# KiCad board GPDI_ULX3S_panel.kicad_pcb
title: GPDI PMOD for ULX3S; date: 2020-09-08; rev: 1.4
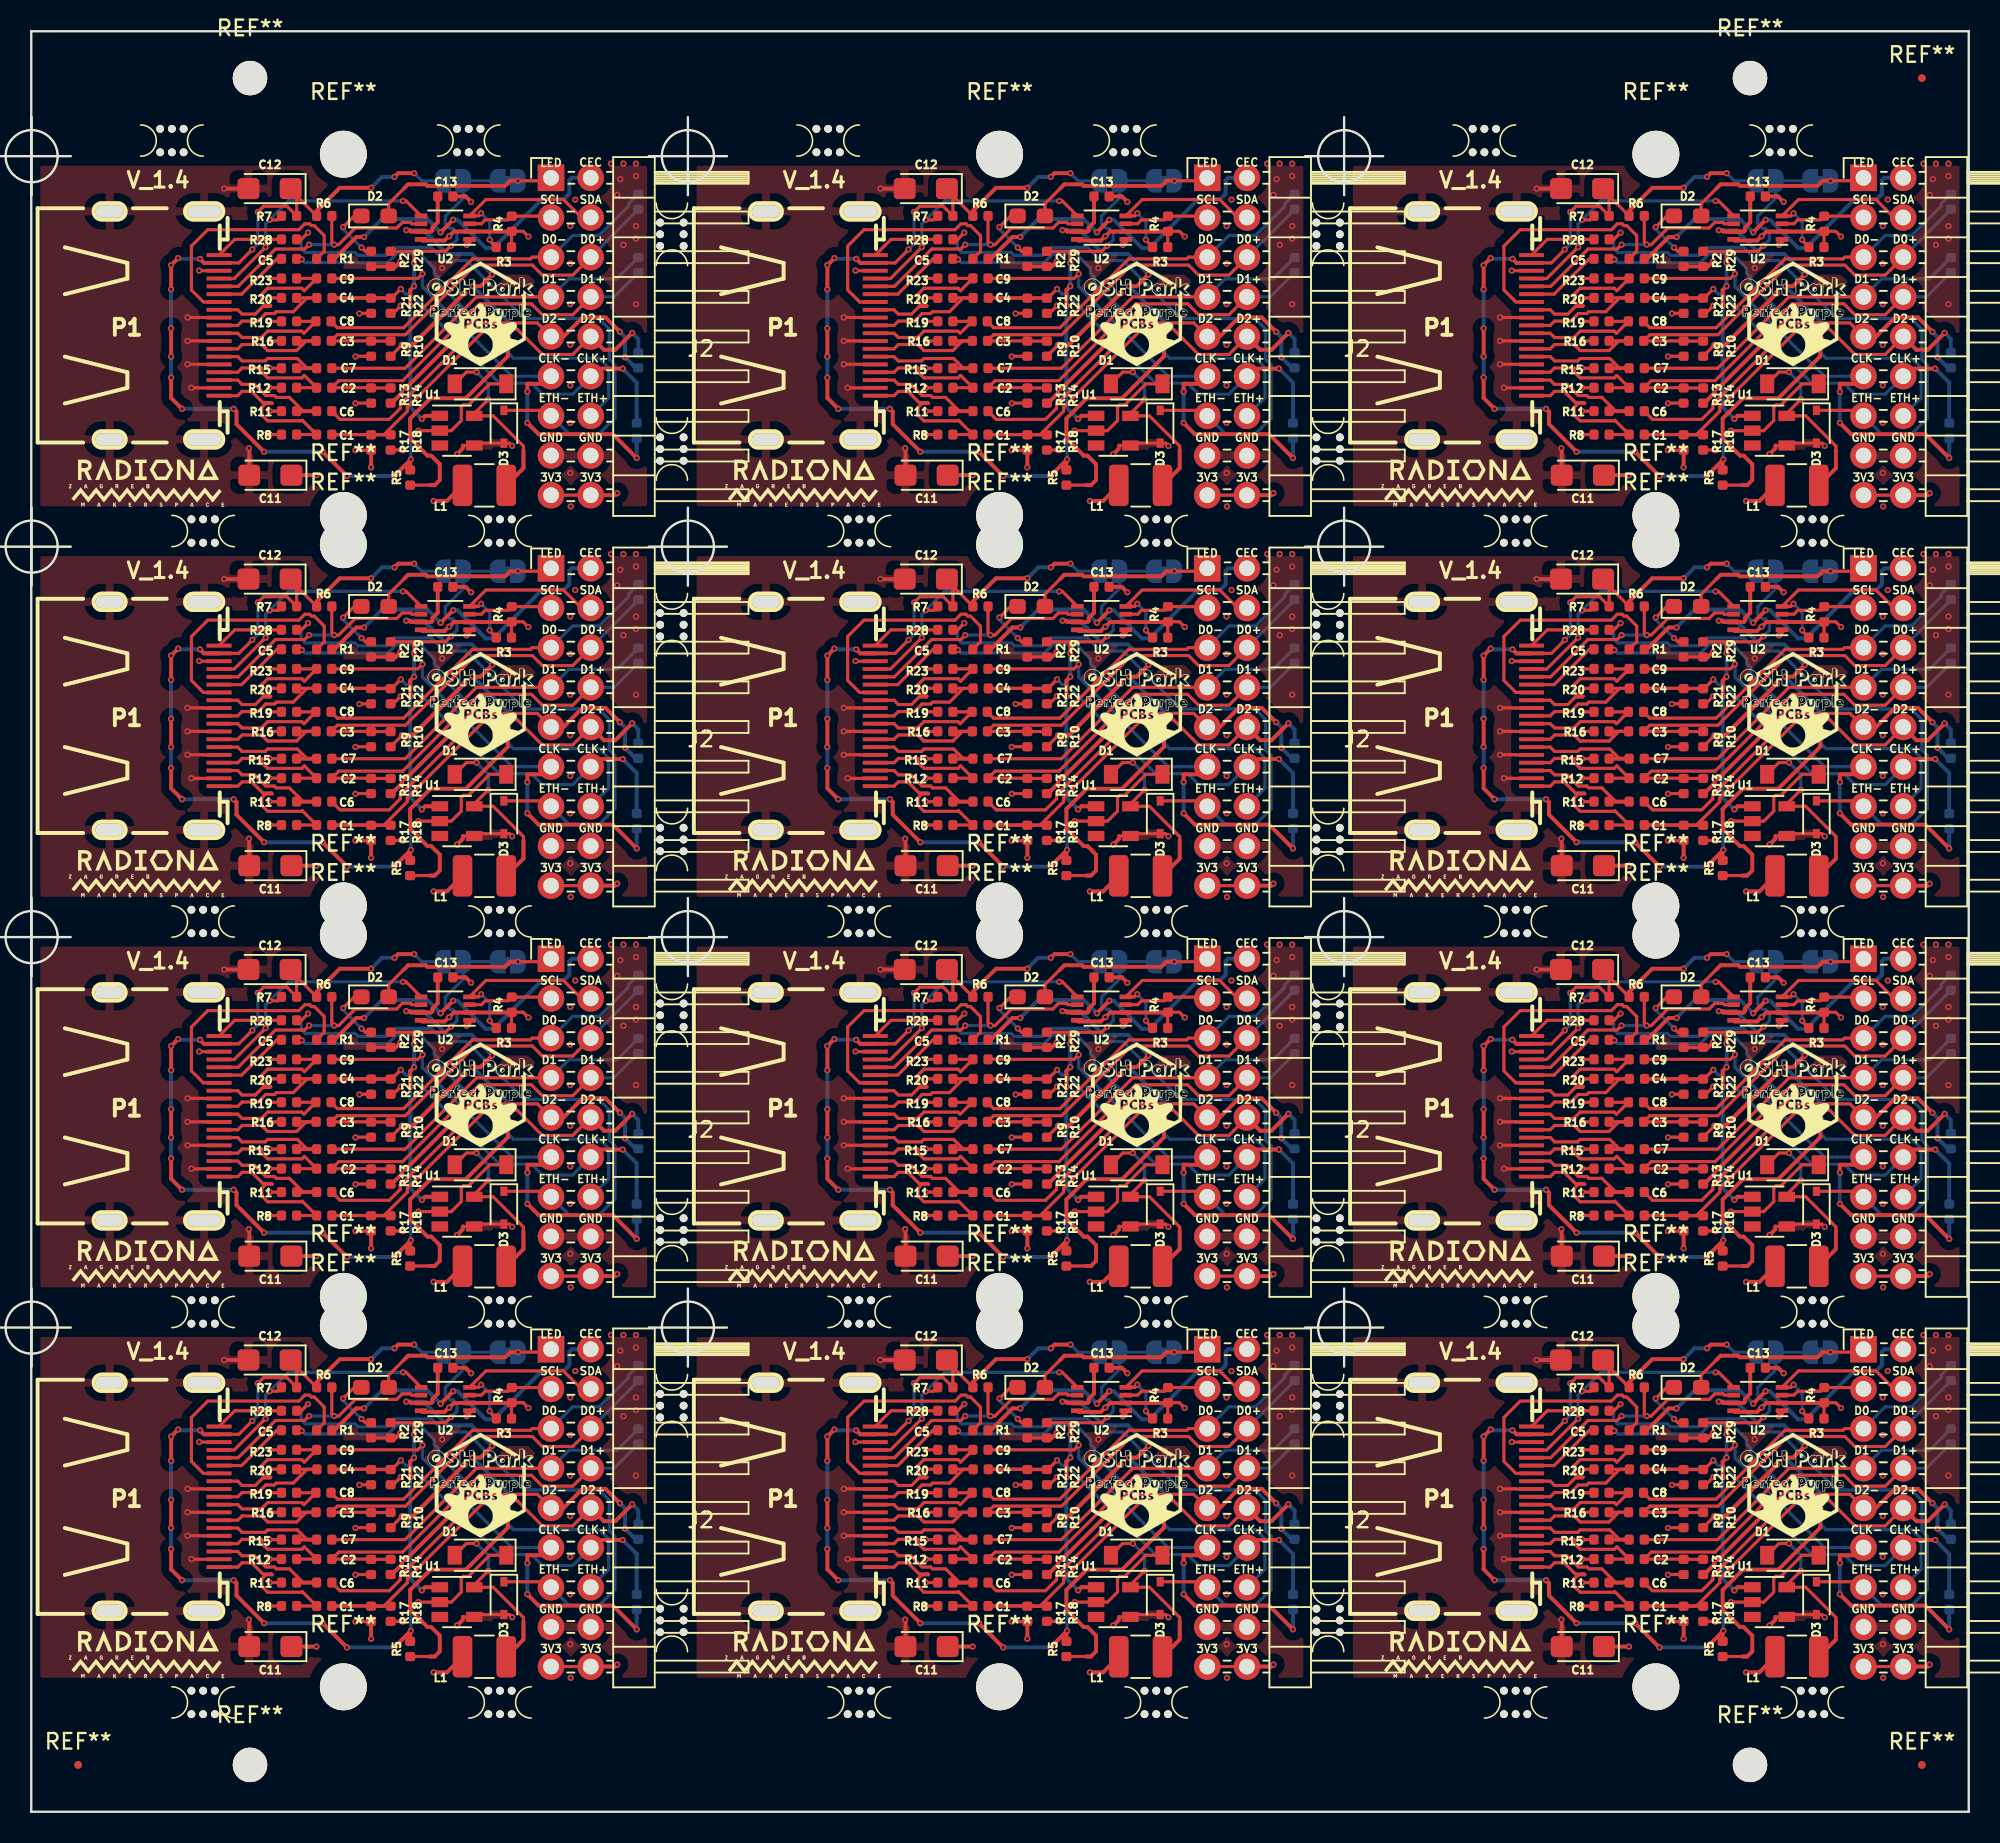
[diagram p0: board, top side]
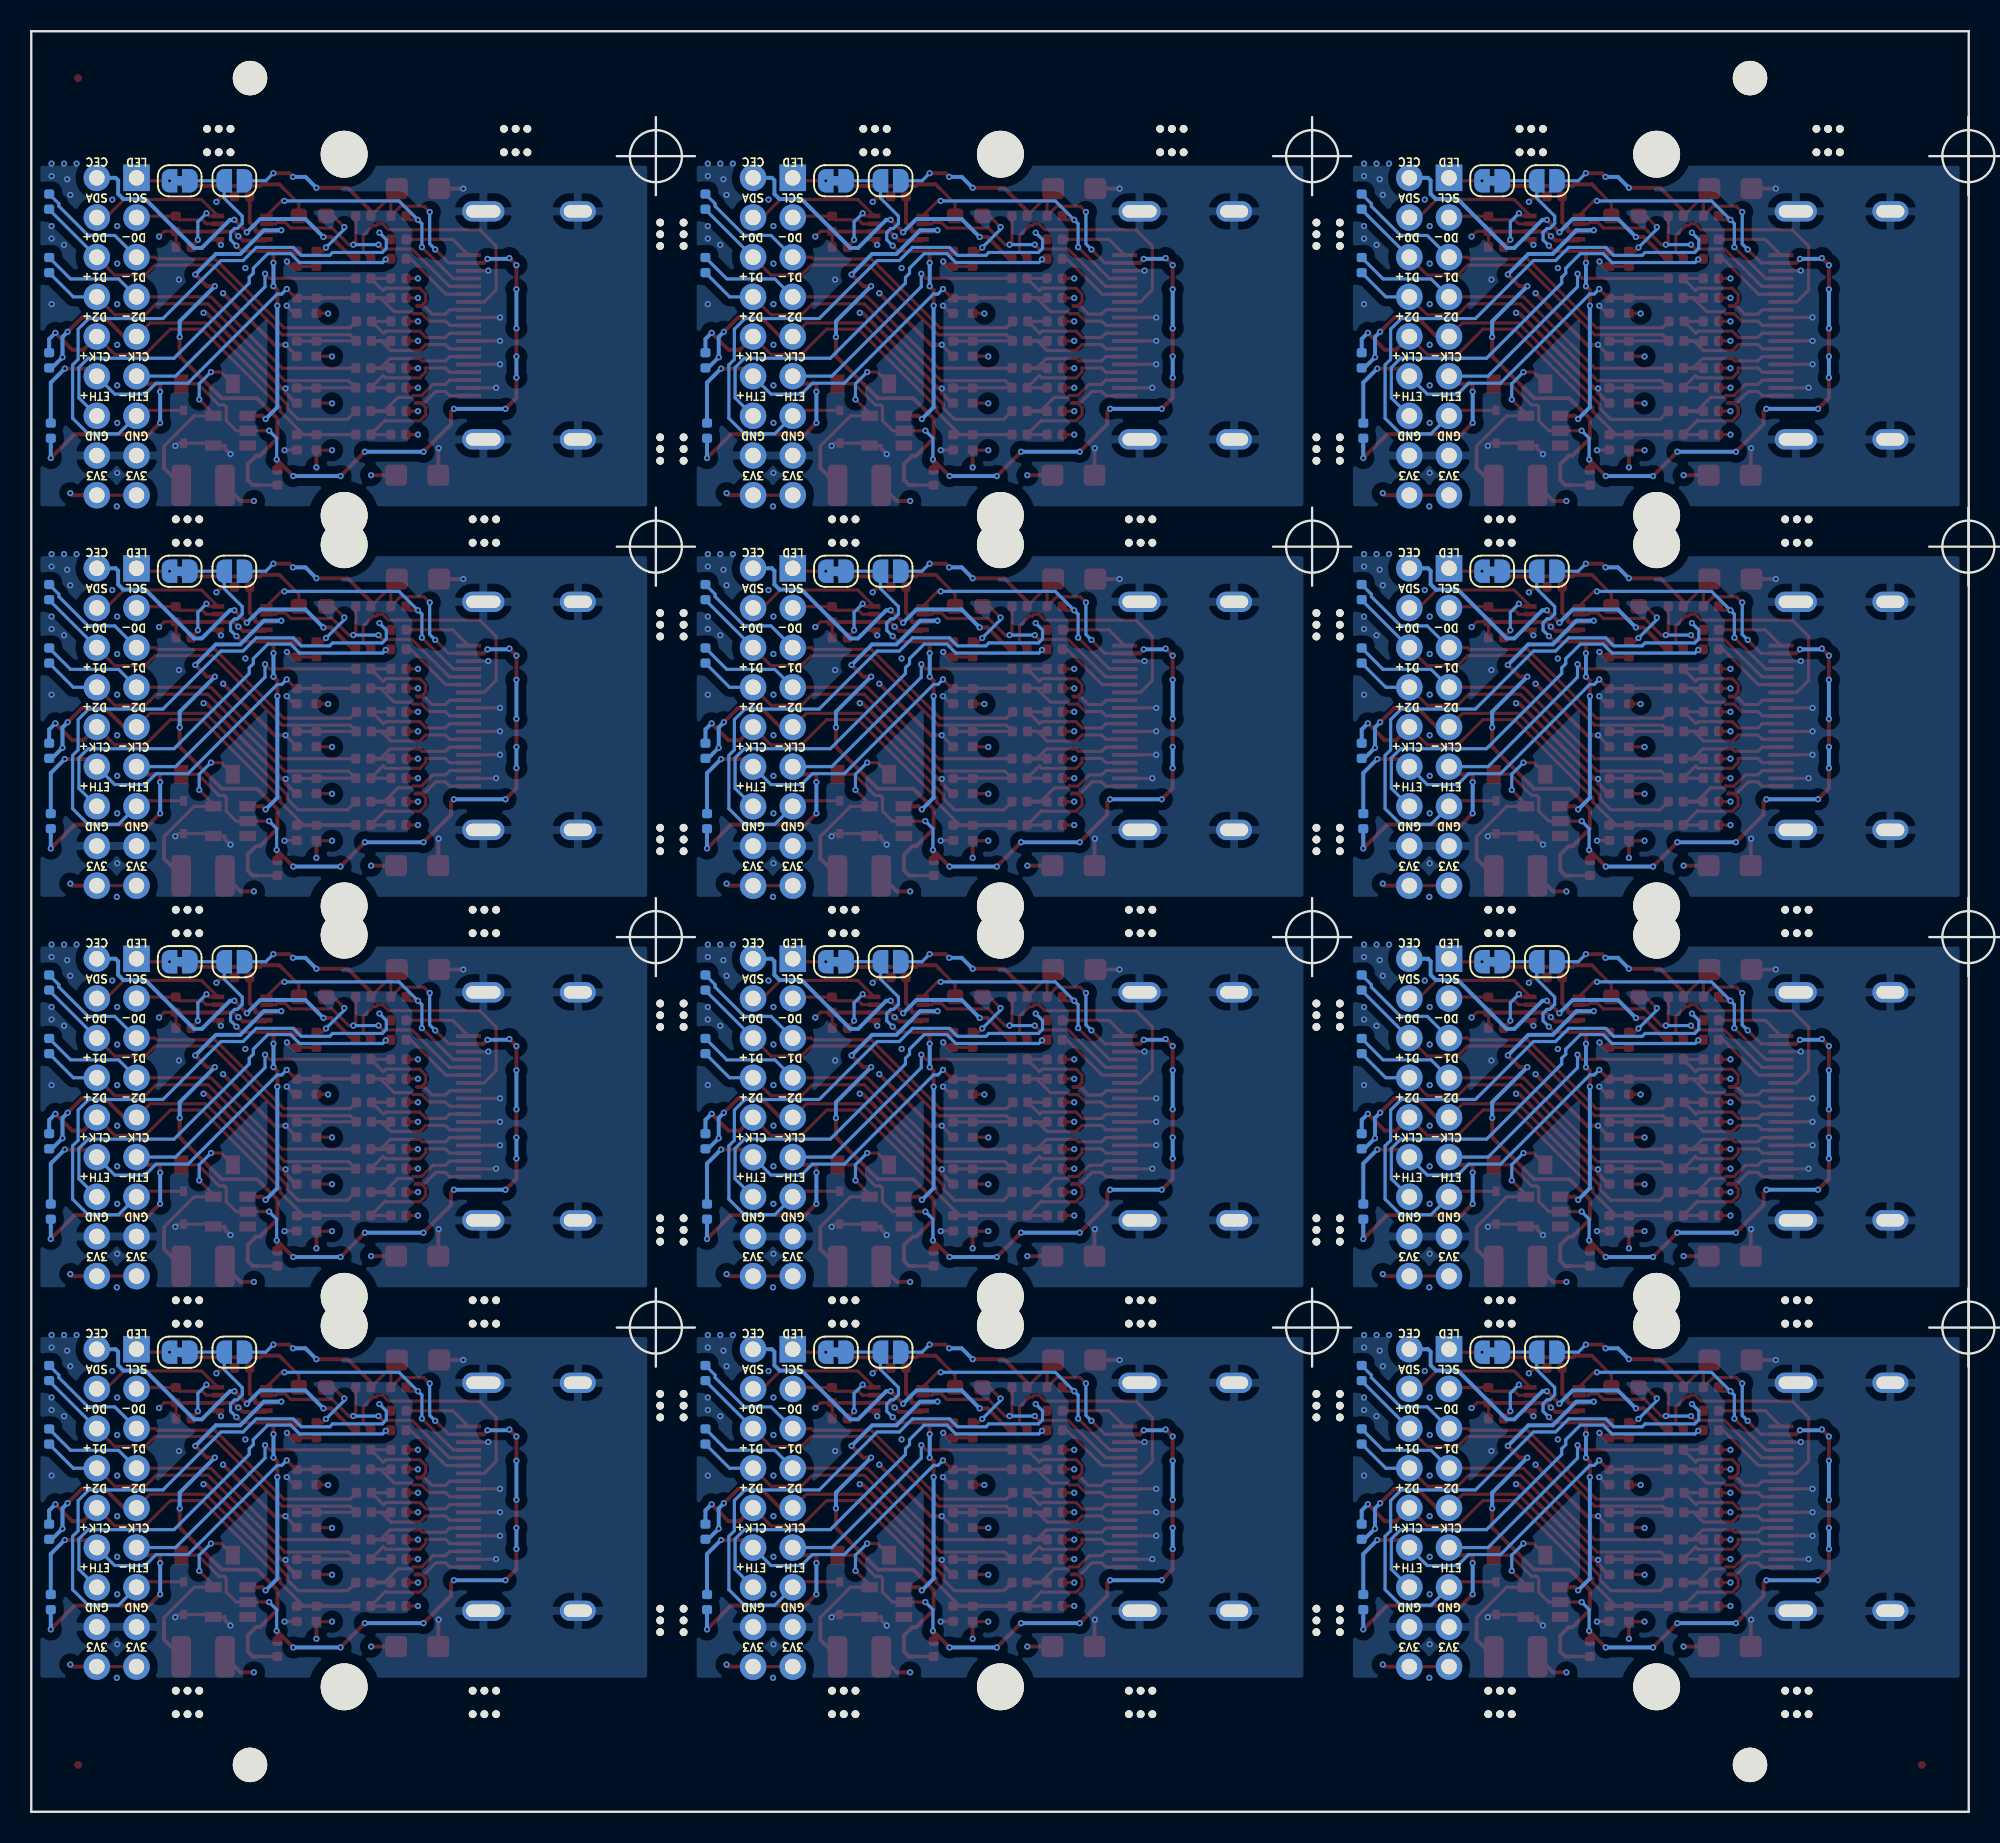
[diagram p1: board, bottom side, seen from below]

Outline 124 x 114 mm; copper layers: Top, GND.Cu (plane), VCC.Cu (plane), Bottom. Coordinates in mm from the lower left corner of the outline.
Outline path: 0,114 124,114 124,0 0,0 0,114

## Placement (name value [footprint] x y rotation side)
C1  220nF  [C_0402_1005Metric]  18.75 88.18 180 top
C1#2  220nF  [C_0402_1005Metric]  60.75 88.18 180 top
C1#3  220nF  [C_0402_1005Metric]  102.75 88.18 180 top
C1#4  220nF  [C_0402_1005Metric]  18.75 63.18 180 top
C1#5  220nF  [C_0402_1005Metric]  60.75 63.18 180 top
C1#6  220nF  [C_0402_1005Metric]  102.75 63.18 180 top
C1#7  220nF  [C_0402_1005Metric]  18.75 38.17 180 top
C1#8  220nF  [C_0402_1005Metric]  60.75 38.17 180 top
C1#9  220nF  [C_0402_1005Metric]  102.75 38.17 180 top
C1#10  220nF  [C_0402_1005Metric]  18.75 13.18 180 top
C1#11  220nF  [C_0402_1005Metric]  60.75 13.18 180 top
C1#12  220nF  [C_0402_1005Metric]  102.75 13.18 180 top
C2  220nF  [C_0402_1005Metric]  18.75 91.18 180 top
C2#2  220nF  [C_0402_1005Metric]  60.75 91.18 180 top
C2#3  220nF  [C_0402_1005Metric]  102.75 91.18 180 top
C2#4  220nF  [C_0402_1005Metric]  18.75 66.18 180 top
C2#5  220nF  [C_0402_1005Metric]  60.75 66.18 180 top
C2#6  220nF  [C_0402_1005Metric]  102.75 66.18 180 top
C2#7  220nF  [C_0402_1005Metric]  18.75 41.17 180 top
C2#8  220nF  [C_0402_1005Metric]  60.75 41.17 180 top
C2#9  220nF  [C_0402_1005Metric]  102.75 41.17 180 top
C2#10  220nF  [C_0402_1005Metric]  18.75 16.18 180 top
C2#11  220nF  [C_0402_1005Metric]  60.75 16.18 180 top
C2#12  220nF  [C_0402_1005Metric]  102.75 16.18 180 top
C3  220nF  [C_0402_1005Metric]  18.71 94.18 180 top
C3#2  220nF  [C_0402_1005Metric]  60.71 94.18 180 top
C3#3  220nF  [C_0402_1005Metric]  102.71 94.18 180 top
C3#4  220nF  [C_0402_1005Metric]  18.71 69.18 180 top
C3#5  220nF  [C_0402_1005Metric]  60.71 69.18 180 top
C3#6  220nF  [C_0402_1005Metric]  102.71 69.18 180 top
C3#7  220nF  [C_0402_1005Metric]  18.71 44.17 180 top
C3#8  220nF  [C_0402_1005Metric]  60.71 44.17 180 top
C3#9  220nF  [C_0402_1005Metric]  102.71 44.17 180 top
C3#10  220nF  [C_0402_1005Metric]  18.71 19.18 180 top
C3#11  220nF  [C_0402_1005Metric]  60.71 19.18 180 top
C3#12  220nF  [C_0402_1005Metric]  102.71 19.18 180 top
C4  220nF  [C_0402_1005Metric]  18.77 96.93 180 top
C4#2  220nF  [C_0402_1005Metric]  60.77 96.93 180 top
C4#3  220nF  [C_0402_1005Metric]  102.77 96.93 180 top
C4#4  220nF  [C_0402_1005Metric]  18.77 71.93 180 top
C4#5  220nF  [C_0402_1005Metric]  60.77 71.93 180 top
C4#6  220nF  [C_0402_1005Metric]  102.77 71.93 180 top
C4#7  220nF  [C_0402_1005Metric]  18.77 46.92 180 top
C4#8  220nF  [C_0402_1005Metric]  60.77 46.92 180 top
C4#9  220nF  [C_0402_1005Metric]  102.77 46.92 180 top
C4#10  220nF  [C_0402_1005Metric]  18.77 21.93 180 top
C4#11  220nF  [C_0402_1005Metric]  60.77 21.93 180 top
C4#12  220nF  [C_0402_1005Metric]  102.77 21.93 180 top
C5  220nF  [C_0402_1005Metric]  16.5 99.43 180 top
C5#2  220nF  [C_0402_1005Metric]  58.5 99.43 180 top
C5#3  220nF  [C_0402_1005Metric]  100.5 99.43 180 top
C5#4  220nF  [C_0402_1005Metric]  16.5 74.43 180 top
C5#5  220nF  [C_0402_1005Metric]  58.5 74.43 180 top
C5#6  220nF  [C_0402_1005Metric]  100.5 74.43 180 top
C5#7  220nF  [C_0402_1005Metric]  16.5 49.42 180 top
C5#8  220nF  [C_0402_1005Metric]  58.5 49.42 180 top
C5#9  220nF  [C_0402_1005Metric]  100.5 49.42 180 top
C5#10  220nF  [C_0402_1005Metric]  16.5 24.43 180 top
C5#11  220nF  [C_0402_1005Metric]  58.5 24.43 180 top
C5#12  220nF  [C_0402_1005Metric]  100.5 24.43 180 top
C6  220nF  [C_0402_1005Metric]  18.75 89.68 180 top
C6#2  220nF  [C_0402_1005Metric]  60.75 89.68 180 top
C6#3  220nF  [C_0402_1005Metric]  102.75 89.68 180 top
C6#4  220nF  [C_0402_1005Metric]  18.75 64.68 180 top
C6#5  220nF  [C_0402_1005Metric]  60.75 64.68 180 top
C6#6  220nF  [C_0402_1005Metric]  102.75 64.68 180 top
C6#7  220nF  [C_0402_1005Metric]  18.75 39.67 180 top
C6#8  220nF  [C_0402_1005Metric]  60.75 39.67 180 top
C6#9  220nF  [C_0402_1005Metric]  102.75 39.67 180 top
C6#10  220nF  [C_0402_1005Metric]  18.75 14.68 180 top
C6#11  220nF  [C_0402_1005Metric]  60.75 14.68 180 top
C6#12  220nF  [C_0402_1005Metric]  102.75 14.68 180 top
C7  220nF  [C_0402_1005Metric]  18.75 92.43 180 top
C7#2  220nF  [C_0402_1005Metric]  60.75 92.43 180 top
C7#3  220nF  [C_0402_1005Metric]  102.75 92.43 180 top
C7#4  220nF  [C_0402_1005Metric]  18.75 67.43 180 top
C7#5  220nF  [C_0402_1005Metric]  60.75 67.43 180 top
C7#6  220nF  [C_0402_1005Metric]  102.75 67.43 180 top
C7#7  220nF  [C_0402_1005Metric]  18.75 42.42 180 top
C7#8  220nF  [C_0402_1005Metric]  60.75 42.42 180 top
C7#9  220nF  [C_0402_1005Metric]  102.75 42.42 180 top
C7#10  220nF  [C_0402_1005Metric]  18.75 17.43 180 top
C7#11  220nF  [C_0402_1005Metric]  60.75 17.43 180 top
C7#12  220nF  [C_0402_1005Metric]  102.75 17.43 180 top
C8  220nF  [C_0402_1005Metric]  18.7 95.43 180 top
C8#2  220nF  [C_0402_1005Metric]  60.7 95.43 180 top
C8#3  220nF  [C_0402_1005Metric]  102.7 95.43 180 top
C8#4  220nF  [C_0402_1005Metric]  18.7 70.43 180 top
C8#5  220nF  [C_0402_1005Metric]  60.7 70.43 180 top
C8#6  220nF  [C_0402_1005Metric]  102.7 70.43 180 top
C8#7  220nF  [C_0402_1005Metric]  18.7 45.42 180 top
C8#8  220nF  [C_0402_1005Metric]  60.7 45.42 180 top
C8#9  220nF  [C_0402_1005Metric]  102.7 45.42 180 top
C8#10  220nF  [C_0402_1005Metric]  18.7 20.43 180 top
C8#11  220nF  [C_0402_1005Metric]  60.7 20.43 180 top
C8#12  220nF  [C_0402_1005Metric]  102.7 20.43 180 top
C9  220nF  [C_0402_1005Metric]  18.75 98.18 180 top
C9#2  220nF  [C_0402_1005Metric]  60.75 98.18 180 top
C9#3  220nF  [C_0402_1005Metric]  102.75 98.18 180 top
C9#4  220nF  [C_0402_1005Metric]  18.75 73.18 180 top
C9#5  220nF  [C_0402_1005Metric]  60.75 73.18 180 top
C9#6  220nF  [C_0402_1005Metric]  102.75 73.18 180 top
C9#7  220nF  [C_0402_1005Metric]  18.75 48.17 180 top
C9#8  220nF  [C_0402_1005Metric]  60.75 48.17 180 top
C9#9  220nF  [C_0402_1005Metric]  102.75 48.17 180 top
C9#10  220nF  [C_0402_1005Metric]  18.75 23.18 180 top
C9#11  220nF  [C_0402_1005Metric]  60.75 23.18 180 top
C9#12  220nF  [C_0402_1005Metric]  102.75 23.18 180 top
C11  47uF  [CP_EIA-3216-10_Kemet-I]  15.3 85.57 180 top
C11#2  47uF  [CP_EIA-3216-10_Kemet-I]  57.3 85.57 180 top
C11#3  47uF  [CP_EIA-3216-10_Kemet-I]  99.3 85.57 180 top
C11#4  47uF  [CP_EIA-3216-10_Kemet-I]  15.3 60.58 180 top
C11#5  47uF  [CP_EIA-3216-10_Kemet-I]  57.3 60.58 180 top
C11#6  47uF  [CP_EIA-3216-10_Kemet-I]  99.3 60.58 180 top
C11#7  47uF  [CP_EIA-3216-10_Kemet-I]  15.3 35.58 180 top
C11#8  47uF  [CP_EIA-3216-10_Kemet-I]  57.3 35.58 180 top
C11#9  47uF  [CP_EIA-3216-10_Kemet-I]  99.3 35.58 180 top
C11#10  47uF  [CP_EIA-3216-10_Kemet-I]  15.3 10.58 180 top
C11#11  47uF  [CP_EIA-3216-10_Kemet-I]  57.3 10.58 180 top
C11#12  47uF  [CP_EIA-3216-10_Kemet-I]  99.3 10.58 180 top
C12  47uF  [CP_EIA-3216-10_Kemet-I]  15.25 103.93 180 top
C12#2  47uF  [CP_EIA-3216-10_Kemet-I]  57.25 103.93 180 top
C12#3  47uF  [CP_EIA-3216-10_Kemet-I]  99.25 103.93 180 top
C12#4  47uF  [CP_EIA-3216-10_Kemet-I]  15.25 78.93 180 top
C12#5  47uF  [CP_EIA-3216-10_Kemet-I]  57.25 78.93 180 top
C12#6  47uF  [CP_EIA-3216-10_Kemet-I]  99.25 78.93 180 top
C12#7  47uF  [CP_EIA-3216-10_Kemet-I]  15.25 53.93 180 top
C12#8  47uF  [CP_EIA-3216-10_Kemet-I]  57.25 53.93 180 top
C12#9  47uF  [CP_EIA-3216-10_Kemet-I]  99.25 53.93 180 top
C12#10  47uF  [CP_EIA-3216-10_Kemet-I]  15.25 28.93 180 top
C12#11  47uF  [CP_EIA-3216-10_Kemet-I]  57.25 28.93 180 top
C12#12  47uF  [CP_EIA-3216-10_Kemet-I]  99.25 28.93 180 top
C13  470pF  [C_0402_1005Metric]  26.5 103.43 0 top
C13#2  470pF  [C_0402_1005Metric]  68.5 103.43 0 top
C13#3  470pF  [C_0402_1005Metric]  110.5 103.43 0 top
C13#4  470pF  [C_0402_1005Metric]  26.5 78.43 0 top
C13#5  470pF  [C_0402_1005Metric]  68.5 78.43 0 top
C13#6  470pF  [C_0402_1005Metric]  110.5 78.43 0 top
C13#7  470pF  [C_0402_1005Metric]  26.5 53.43 0 top
C13#8  470pF  [C_0402_1005Metric]  68.5 53.43 0 top
C13#9  470pF  [C_0402_1005Metric]  110.5 53.43 0 top
C13#10  470pF  [C_0402_1005Metric]  26.5 28.43 0 top
C13#11  470pF  [C_0402_1005Metric]  68.5 28.43 0 top
C13#12  470pF  [C_0402_1005Metric]  110.5 28.43 0 top
D1  MBR0520  [D_SOD-123]  28.75 91.43 180 top
D1#2  MBR0520  [D_SOD-123]  70.75 91.43 180 top
D1#3  MBR0520  [D_SOD-123]  112.75 91.43 180 top
D1#4  MBR0520  [D_SOD-123]  28.75 66.43 180 top
D1#5  MBR0520  [D_SOD-123]  70.75 66.43 180 top
D1#6  MBR0520  [D_SOD-123]  112.75 66.43 180 top
D1#7  MBR0520  [D_SOD-123]  28.75 41.42 180 top
D1#8  MBR0520  [D_SOD-123]  70.75 41.42 180 top
D1#9  MBR0520  [D_SOD-123]  112.75 41.42 180 top
D1#10  MBR0520  [D_SOD-123]  28.75 16.43 180 top
D1#11  MBR0520  [D_SOD-123]  70.75 16.43 180 top
D1#12  MBR0520  [D_SOD-123]  112.75 16.43 180 top
D2  LED  [LED_0603_1608Metric_Pad1.05x0.95mm_HandSolder]  22 102.18 0 top
D2#2  LED  [LED_0603_1608Metric_Pad1.05x0.95mm_HandSolder]  64 102.18 0 top
D2#3  LED  [LED_0603_1608Metric_Pad1.05x0.95mm_HandSolder]  106 102.18 0 top
D2#4  LED  [LED_0603_1608Metric_Pad1.05x0.95mm_HandSolder]  22 77.18 0 top
D2#5  LED  [LED_0603_1608Metric_Pad1.05x0.95mm_HandSolder]  64 77.18 0 top
D2#6  LED  [LED_0603_1608Metric_Pad1.05x0.95mm_HandSolder]  106 77.18 0 top
D2#7  LED  [LED_0603_1608Metric_Pad1.05x0.95mm_HandSolder]  22 52.18 0 top
D2#8  LED  [LED_0603_1608Metric_Pad1.05x0.95mm_HandSolder]  64 52.18 0 top
D2#9  LED  [LED_0603_1608Metric_Pad1.05x0.95mm_HandSolder]  106 52.18 0 top
D2#10  LED  [LED_0603_1608Metric_Pad1.05x0.95mm_HandSolder]  22 27.18 0 top
D2#11  LED  [LED_0603_1608Metric_Pad1.05x0.95mm_HandSolder]  64 27.18 0 top
D2#12  LED  [LED_0603_1608Metric_Pad1.05x0.95mm_HandSolder]  106 27.18 0 top
D3  BZT52C3V6S-7-F  [D_SOD-323]  30.25 88.68 270 top
D3#2  BZT52C3V6S-7-F  [D_SOD-323]  72.25 88.68 270 top
D3#3  BZT52C3V6S-7-F  [D_SOD-323]  114.25 88.68 270 top
D3#4  BZT52C3V6S-7-F  [D_SOD-323]  30.25 63.68 270 top
D3#5  BZT52C3V6S-7-F  [D_SOD-323]  72.25 63.68 270 top
D3#6  BZT52C3V6S-7-F  [D_SOD-323]  114.25 63.68 270 top
D3#7  BZT52C3V6S-7-F  [D_SOD-323]  30.25 38.67 270 top
D3#8  BZT52C3V6S-7-F  [D_SOD-323]  72.25 38.67 270 top
D3#9  BZT52C3V6S-7-F  [D_SOD-323]  114.25 38.67 270 top
D3#10  BZT52C3V6S-7-F  [D_SOD-323]  30.25 13.68 270 top
D3#11  BZT52C3V6S-7-F  [D_SOD-323]  72.25 13.68 270 top
D3#12  BZT52C3V6S-7-F  [D_SOD-323]  114.25 13.68 270 top
G***  LOGO  [radiona-12mm]  7.37 85.07 0 top
G***#2  LOGO  [OSH_7x7]  28.8 95.75 0 top
G***#3  LOGO  [OSH_7x7]  70.8 95.75 0 top
G***#4  LOGO  [OSH_7x7]  112.8 95.75 0 top
G***#5  LOGO  [OSH_7x7]  28.8 70.75 0 top
G***#6  LOGO  [OSH_7x7]  70.8 70.75 0 top
G***#7  LOGO  [OSH_7x7]  112.8 70.75 0 top
G***#8  LOGO  [OSH_7x7]  28.8 45.75 0 top
G***#9  LOGO  [OSH_7x7]  70.8 45.75 0 top
G***#10  LOGO  [OSH_7x7]  112.8 45.75 0 top
G***#11  LOGO  [OSH_7x7]  28.8 20.75 0 top
G***#12  LOGO  [OSH_7x7]  70.8 20.75 0 top
G***#13  LOGO  [OSH_7x7]  112.8 20.75 0 top
G***#14  LOGO  [radiona-12mm]  49.37 85.07 0 top
G***#15  LOGO  [radiona-12mm]  91.37 85.07 0 top
G***#16  LOGO  [radiona-12mm]  7.37 60.08 0 top
G***#17  LOGO  [radiona-12mm]  49.37 60.08 0 top
G***#18  LOGO  [radiona-12mm]  91.37 60.08 0 top
G***#19  LOGO  [radiona-12mm]  7.37 35.08 0 top
G***#20  LOGO  [radiona-12mm]  49.37 35.08 0 top
G***#21  LOGO  [radiona-12mm]  91.37 35.08 0 top
G***#22  LOGO  [radiona-12mm]  7.37 10.08 0 top
G***#23  LOGO  [radiona-12mm]  49.37 10.08 0 top
G***#24  LOGO  [radiona-12mm]  91.37 10.08 0 top
J2  PMOD  [PinHeader_2x09_P2.54mm_Horizontal]  33.26 104.62 0 top
J2#2  PMOD  [PinHeader_2x09_P2.54mm_Horizontal]  75.26 104.62 0 top
J2#3  PMOD  [PinHeader_2x09_P2.54mm_Horizontal]  117.26 104.62 0 top
J2#4  PMOD  [PinHeader_2x09_P2.54mm_Horizontal]  33.26 79.62 0 top
J2#5  PMOD  [PinHeader_2x09_P2.54mm_Horizontal]  75.26 79.62 0 top
J2#6  PMOD  [PinHeader_2x09_P2.54mm_Horizontal]  117.26 79.62 0 top
J2#7  PMOD  [PinHeader_2x09_P2.54mm_Horizontal]  33.26 54.62 0 top
J2#8  PMOD  [PinHeader_2x09_P2.54mm_Horizontal]  75.26 54.62 0 top
J2#9  PMOD  [PinHeader_2x09_P2.54mm_Horizontal]  117.26 54.62 0 top
J2#10  PMOD  [PinHeader_2x09_P2.54mm_Horizontal]  33.26 29.62 0 top
J2#11  PMOD  [PinHeader_2x09_P2.54mm_Horizontal]  75.26 29.62 0 top
J2#12  PMOD  [PinHeader_2x09_P2.54mm_Horizontal]  117.26 29.62 0 top
JP1  SJB  [SolderJumper-2_P1.3mm_Bridged_RoundedPad1.0x1.5mm]  30.5 104.43 180 bottom
JP1#2  SJB  [SolderJumper-2_P1.3mm_Bridged_RoundedPad1.0x1.5mm]  72.5 104.43 180 bottom
JP1#3  SJB  [SolderJumper-2_P1.3mm_Bridged_RoundedPad1.0x1.5mm]  114.5 104.43 180 bottom
JP1#4  SJB  [SolderJumper-2_P1.3mm_Bridged_RoundedPad1.0x1.5mm]  30.5 79.43 180 bottom
JP1#5  SJB  [SolderJumper-2_P1.3mm_Bridged_RoundedPad1.0x1.5mm]  72.5 79.43 180 bottom
JP1#6  SJB  [SolderJumper-2_P1.3mm_Bridged_RoundedPad1.0x1.5mm]  114.5 79.43 180 bottom
JP1#7  SJB  [SolderJumper-2_P1.3mm_Bridged_RoundedPad1.0x1.5mm]  30.5 54.43 180 bottom
JP1#8  SJB  [SolderJumper-2_P1.3mm_Bridged_RoundedPad1.0x1.5mm]  72.5 54.43 180 bottom
JP1#9  SJB  [SolderJumper-2_P1.3mm_Bridged_RoundedPad1.0x1.5mm]  114.5 54.43 180 bottom
JP1#10  SJB  [SolderJumper-2_P1.3mm_Bridged_RoundedPad1.0x1.5mm]  30.5 29.43 180 bottom
JP1#11  SJB  [SolderJumper-2_P1.3mm_Bridged_RoundedPad1.0x1.5mm]  72.5 29.43 180 bottom
JP1#12  SJB  [SolderJumper-2_P1.3mm_Bridged_RoundedPad1.0x1.5mm]  114.5 29.43 180 bottom
JP2  SJO  [SolderJumper-2_P1.3mm_Open_RoundedPad1.0x1.5mm]  27 104.43 0 bottom
JP2#2  SJO  [SolderJumper-2_P1.3mm_Open_RoundedPad1.0x1.5mm]  69 104.43 0 bottom
JP2#3  SJO  [SolderJumper-2_P1.3mm_Open_RoundedPad1.0x1.5mm]  111 104.43 0 bottom
JP2#4  SJO  [SolderJumper-2_P1.3mm_Open_RoundedPad1.0x1.5mm]  27 79.43 0 bottom
JP2#5  SJO  [SolderJumper-2_P1.3mm_Open_RoundedPad1.0x1.5mm]  69 79.43 0 bottom
JP2#6  SJO  [SolderJumper-2_P1.3mm_Open_RoundedPad1.0x1.5mm]  111 79.43 0 bottom
JP2#7  SJO  [SolderJumper-2_P1.3mm_Open_RoundedPad1.0x1.5mm]  27 54.43 0 bottom
JP2#8  SJO  [SolderJumper-2_P1.3mm_Open_RoundedPad1.0x1.5mm]  69 54.43 0 bottom
JP2#9  SJO  [SolderJumper-2_P1.3mm_Open_RoundedPad1.0x1.5mm]  111 54.43 0 bottom
JP2#10  SJO  [SolderJumper-2_P1.3mm_Open_RoundedPad1.0x1.5mm]  27 29.43 0 bottom
JP2#11  SJO  [SolderJumper-2_P1.3mm_Open_RoundedPad1.0x1.5mm]  69 29.43 0 bottom
JP2#12  SJO  [SolderJumper-2_P1.3mm_Open_RoundedPad1.0x1.5mm]  111 29.43 0 bottom
L1  100u  [L_1210_3225Metric]  29 84.93 0 top
L1#2  100u  [L_1210_3225Metric]  71 84.93 0 top
L1#3  100u  [L_1210_3225Metric]  113 84.93 0 top
L1#4  100u  [L_1210_3225Metric]  29 59.93 0 top
L1#5  100u  [L_1210_3225Metric]  71 59.93 0 top
L1#6  100u  [L_1210_3225Metric]  113 59.93 0 top
L1#7  100u  [L_1210_3225Metric]  29 34.92 0 top
L1#8  100u  [L_1210_3225Metric]  71 34.92 0 top
L1#9  100u  [L_1210_3225Metric]  113 34.92 0 top
L1#10  100u  [L_1210_3225Metric]  29 9.93 0 top
L1#11  100u  [L_1210_3225Metric]  71 9.93 0 top
L1#12  100u  [L_1210_3225Metric]  113 9.93 0 top
mouse-bite-2mm-slot  VAL**  [mouse-bite-2mm-slot]  11 82 0 top
mouse-bite-2mm-slot#2  VAL**  [mouse-bite-2mm-slot]  30 82 0 top
mouse-bite-2mm-slot#3  VAL**  [mouse-bite-2mm-slot]  41 101 90 top
mouse-bite-2mm-slot#4  VAL**  [mouse-bite-2mm-slot]  41 87.25 90 top
mouse-bite-2mm-slot#5  VAL**  [mouse-bite-2mm-slot]  72 82 0 top
mouse-bite-2mm-slot#6  VAL**  [mouse-bite-2mm-slot]  83 101 90 top
mouse-bite-2mm-slot#7  VAL**  [mouse-bite-2mm-slot]  83 87.25 90 top
mouse-bite-2mm-slot#8  VAL**  [mouse-bite-2mm-slot]  53 82 0 top
mouse-bite-2mm-slot#9  VAL**  [mouse-bite-2mm-slot]  95 82 0 top
mouse-bite-2mm-slot#10  VAL**  [mouse-bite-2mm-slot]  114 82 0 top
mouse-bite-2mm-slot#11  VAL**  [mouse-bite-2mm-slot]  53 57 0 top
mouse-bite-2mm-slot#12  VAL**  [mouse-bite-2mm-slot]  30 57 0 top
mouse-bite-2mm-slot#13  VAL**  [mouse-bite-2mm-slot]  83 62.25 90 top
mouse-bite-2mm-slot#14  VAL**  [mouse-bite-2mm-slot]  41 76 90 top
mouse-bite-2mm-slot#15  VAL**  [mouse-bite-2mm-slot]  114 57 0 top
mouse-bite-2mm-slot#16  VAL**  [mouse-bite-2mm-slot]  83 76 90 top
mouse-bite-2mm-slot#17  VAL**  [mouse-bite-2mm-slot]  72 57 0 top
mouse-bite-2mm-slot#18  VAL**  [mouse-bite-2mm-slot]  95 57 0 top
mouse-bite-2mm-slot#19  VAL**  [mouse-bite-2mm-slot]  41 62.25 90 top
mouse-bite-2mm-slot#20  VAL**  [mouse-bite-2mm-slot]  11 57 0 top
mouse-bite-2mm-slot#21  VAL**  [mouse-bite-2mm-slot]  41 37.25 90 top
mouse-bite-2mm-slot#22  VAL**  [mouse-bite-2mm-slot]  83 51 90 top
mouse-bite-2mm-slot#23  VAL**  [mouse-bite-2mm-slot]  72 32 0 top
mouse-bite-2mm-slot#24  VAL**  [mouse-bite-2mm-slot]  95 32 0 top
mouse-bite-2mm-slot#25  VAL**  [mouse-bite-2mm-slot]  30 32 0 top
mouse-bite-2mm-slot#26  VAL**  [mouse-bite-2mm-slot]  83 37.25 90 top
mouse-bite-2mm-slot#27  VAL**  [mouse-bite-2mm-slot]  41 51 90 top
mouse-bite-2mm-slot#28  VAL**  [mouse-bite-2mm-slot]  53 32 0 top
mouse-bite-2mm-slot#29  VAL**  [mouse-bite-2mm-slot]  11 32 0 top
mouse-bite-2mm-slot#30  VAL**  [mouse-bite-2mm-slot]  114 32 0 top
mouse-bite-2mm-slot#31  VAL**  [mouse-bite-2mm-slot]  72 7 0 top
mouse-bite-2mm-slot#32  VAL**  [mouse-bite-2mm-slot]  95 7 0 top
mouse-bite-2mm-slot#33  VAL**  [mouse-bite-2mm-slot]  30 7 0 top
mouse-bite-2mm-slot#34  VAL**  [mouse-bite-2mm-slot]  41 12.25 90 top
mouse-bite-2mm-slot#35  VAL**  [mouse-bite-2mm-slot]  114 7 0 top
mouse-bite-2mm-slot#36  VAL**  [mouse-bite-2mm-slot]  53 7 0 top
mouse-bite-2mm-slot#37  VAL**  [mouse-bite-2mm-slot]  83 26 90 top
mouse-bite-2mm-slot#38  VAL**  [mouse-bite-2mm-slot]  41 26 90 top
mouse-bite-2mm-slot#39  VAL**  [mouse-bite-2mm-slot]  11 7 0 top
mouse-bite-2mm-slot#40  VAL**  [mouse-bite-2mm-slot]  83 12.25 90 top
mouse-bite-2mm-slot#41  VAL**  [mouse-bite-2mm-slot]  112 107 0 top
mouse-bite-2mm-slot#42  VAL**  [mouse-bite-2mm-slot]  9 107 0 top
mouse-bite-2mm-slot#43  VAL**  [mouse-bite-2mm-slot]  51 107 0 top
mouse-bite-2mm-slot#44  VAL**  [mouse-bite-2mm-slot]  28 107 0 top
mouse-bite-2mm-slot#45  VAL**  [mouse-bite-2mm-slot]  93 107 0 top
mouse-bite-2mm-slot#46  VAL**  [mouse-bite-2mm-slot]  70 107 0 top
P1  GPDI  [HDMI-D]  6.47 95.17 180 top